# KiCad board sbc.kicad_pcb (continued)
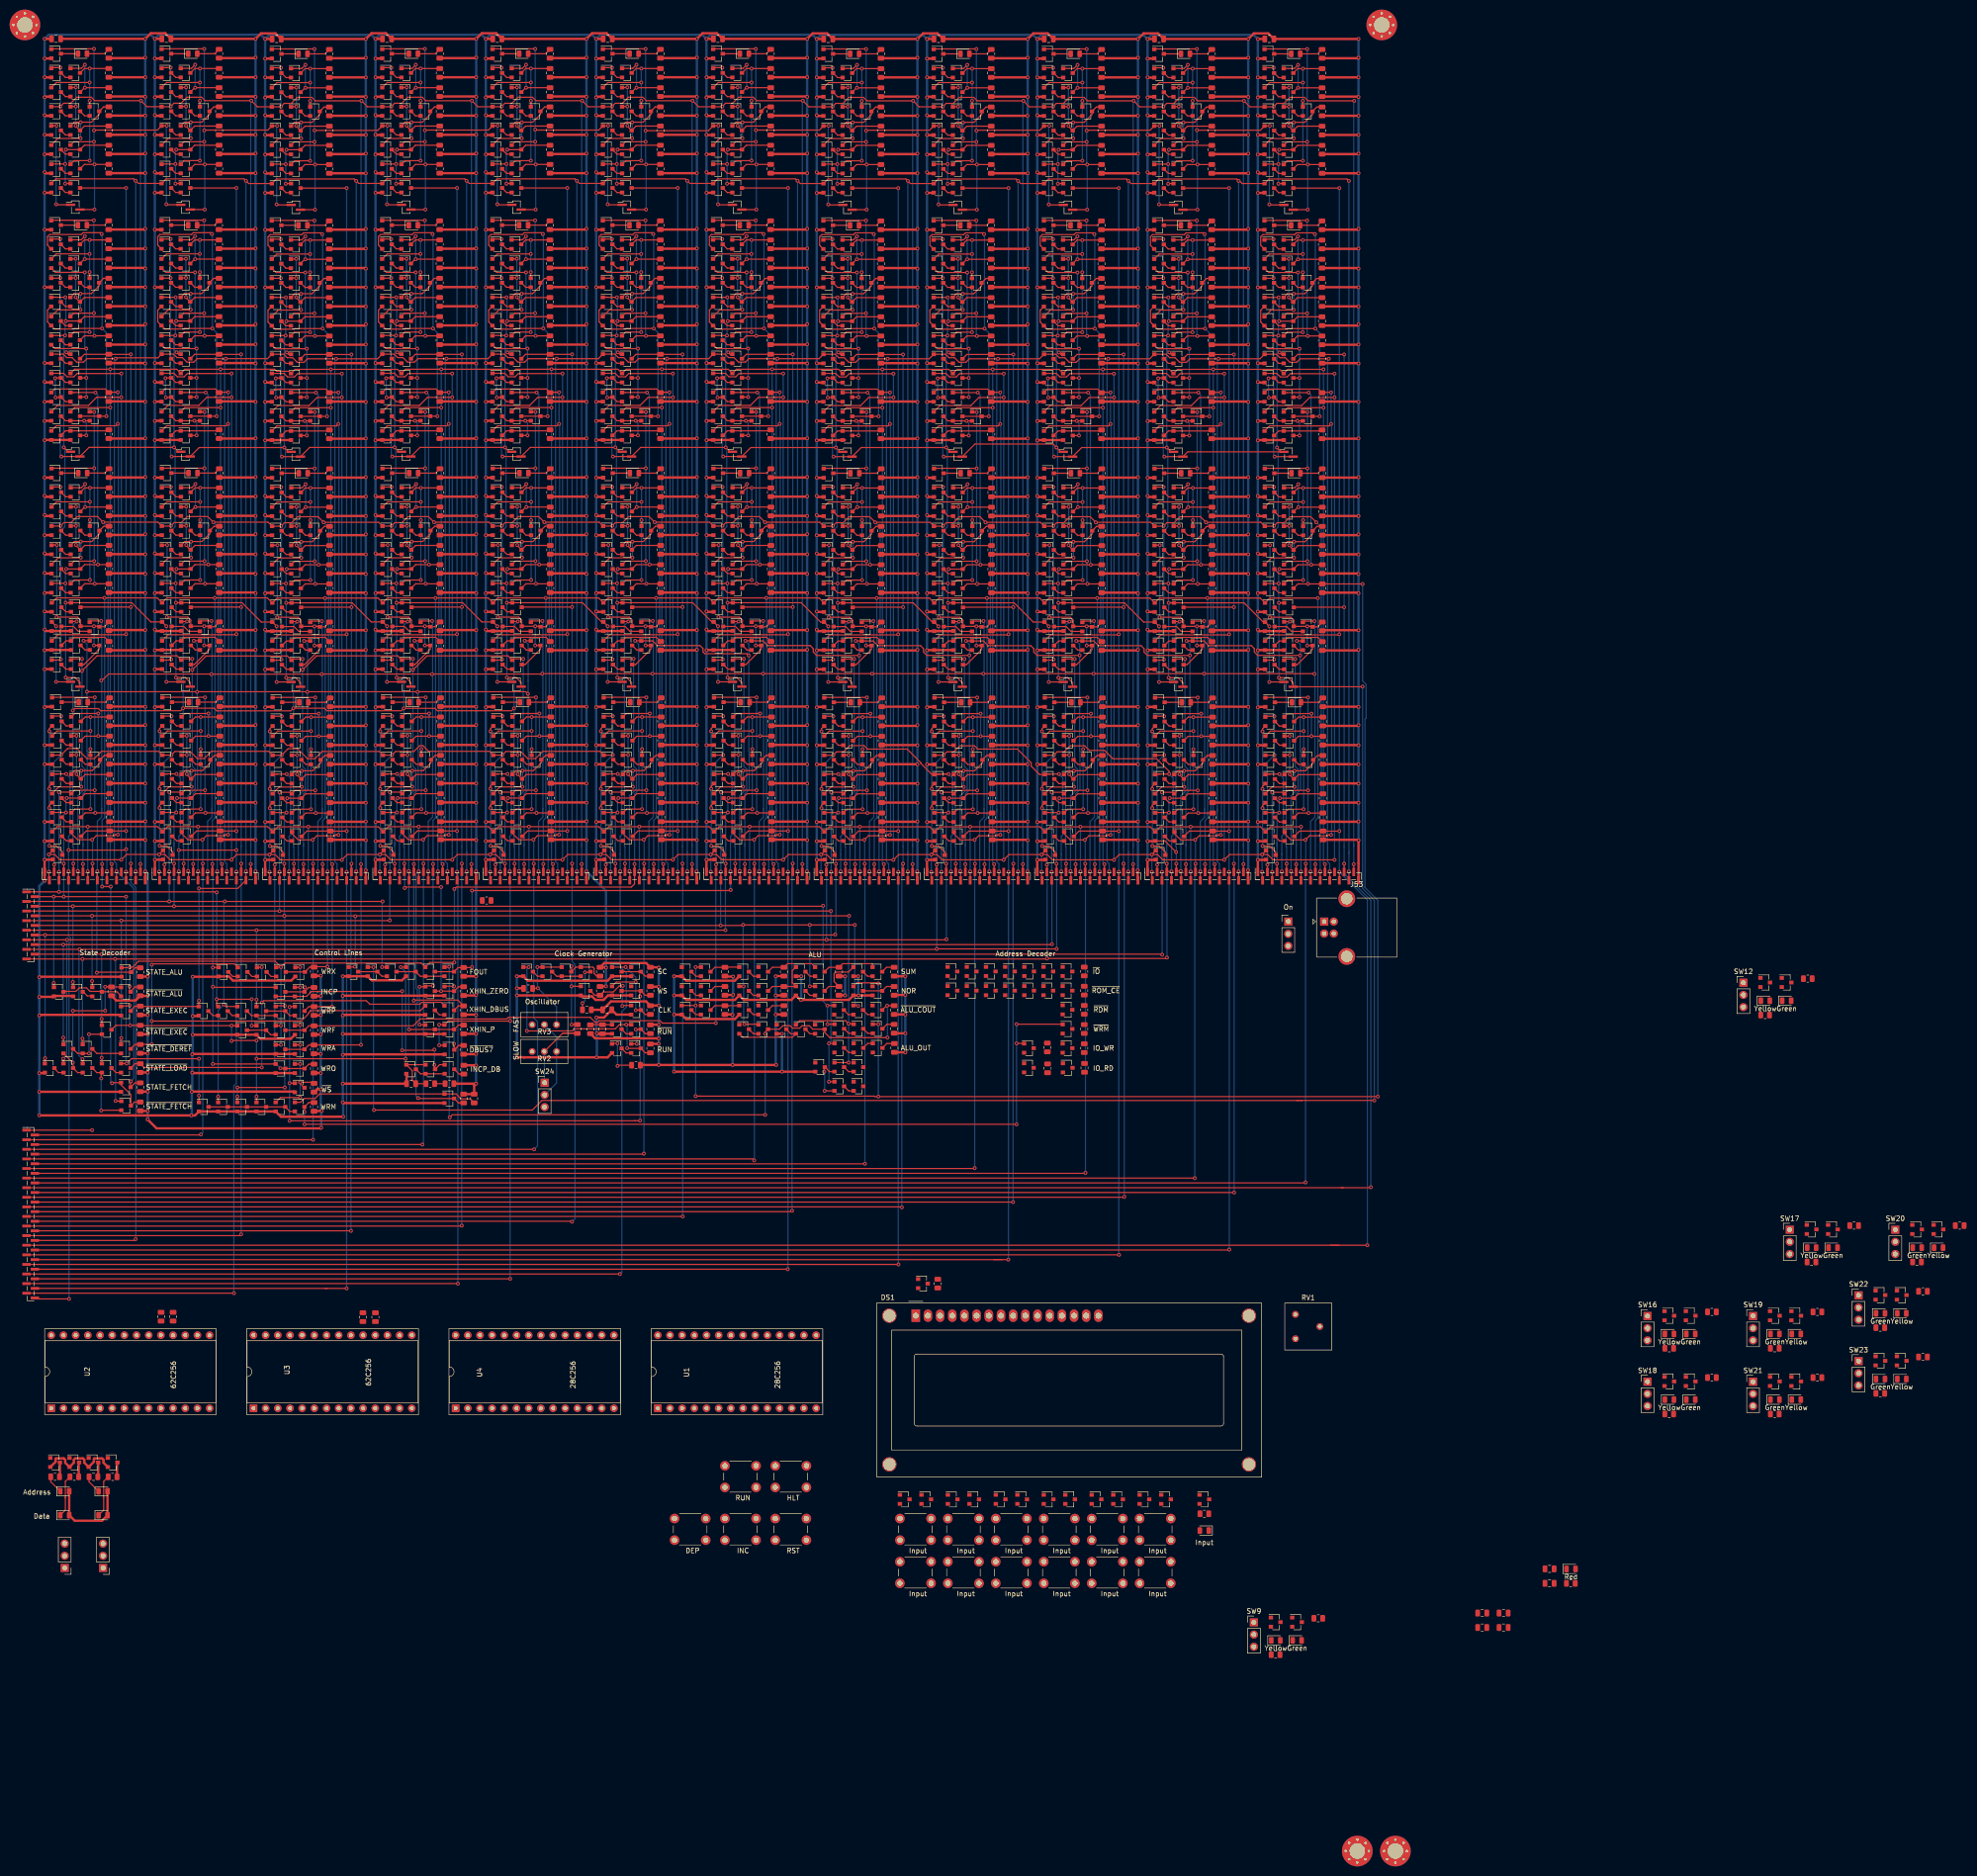
[diagram p0: board, top side]
## Routing (per net, layer and track width the routed paths; a pad name or vN(x,y) marks a point on that pad's centre or on a via; arc(x,y) is an arc through that point)
GND: length 4573.9
  Top w0.25: Q1051.1 262.9,248.62 v1(264.95,248.62) ; J45.7 v1(263.15,205.92) ; v1(149.95,248.65) 147.9,248.65 Q636.1 ; Q638.1 147.7,256.45 v1(148.85,256.45) ; v1(126.95,248.65) 124.9,248.65 Q553.1 ; J33.8 195.15,204.32 v1(195.09,204.39) ; Q804.1 193.7,256.42 v1(194.85,256.42) ; J29.8 172.15,204.32 v1(172.09,204.39) ; v1(171.85,256.42) 170.7,256.42 Q721.1 ; J37.8 218.15,204.32 v1(218.08,204.39) ; v1(240.15,205.92) J41.7 240.34,204.39 v1(241.08,204.39) 241.15,204.32 J41.8 ; v1(240.85,256.42) 239.7,256.42 Q970.1 ; Q968.1 239.9,248.62 v1(241.95,248.62) ; Q802.1 193.9,248.62 v1(195.95,248.62) ; J33.7 v1(194.15,205.92) ; J25.7 v1(148.15,205.95) ; v1(264.08,204.39) 264.15,204.32 J45.8 ; v1(263.85,256.42) 262.7,256.42 Q1053.1 ; v1(172.95,248.62) 170.9,248.62 Q719.1 ; Q885.1 216.9,248.62 v1(218.95,248.62) ; v1(149.09,204.41) 149.15,204.35 J25.8 ; v1(125.85,256.45) 124.7,256.45 Q555.1 ; J37.7 v1(217.15,205.92) ; v1(217.85,256.42) 216.7,256.42 Q887.1 ; J29.7 v1(171.15,205.92) ; J21.8 126.15,204.35 v1(126.09,204.41) ; J21.7 v1(125.15,205.95) ; Q29.1 v1(6.5,255.45) ; Q949.2 237.78,210.67 v1(240.1,208.35) ; v1(6.5,243.85) J3.1
  Top w0.5: 5.43,338.1 Q44.2 4.1,338.15 v1(4.1,338.15) ; 5.61,238.61 Q69.2 4.21,238.66 v1(4.1,238.55) ; 5.5,286.39 Q20.2 4.11,286.44 v1(4.1,286.45) ; C2.2 v1(27.1,377.95) ; Q93.2 28.45,373.85 v1(27.1,373.85) ; Q88.2 28.45,345.85 v1(27.1,345.85) ; Q91.2 27.35,349.9 v1(27.1,350.15) ; v1(27.1,353.85) 27.15,353.9 Q96.2 ; v1(27.1,357.95) 27.15,357.9 Q102.2 ; v1(27.1,362.05) 27.25,361.9 Q100.2 ; Q92.2 27.25,365.9 v1(27.1,365.75) ; v1(27.1,369.95) 27.15,369.9 Q97.2 ; 28.43,338.1 Q142.2 27.11,338.15 v1(27.1,338.15) ; 28.61,238.61 Q158.2 27.21,238.66 v1(27.1,238.55) ; 28.5,286.39 Q117.2 27.11,286.44 v1(27.1,286.45) ; Q86.2 28.65,210.65 v1(27.1,210.65) ; Q108.2 Q112.2 27.15,250.5 v1(27.1,250.45) ; Q110.2 27.15,246.5 v1(27.1,246.45) ; v1(27.1,254.75) 27.4,254.45 Q111.2 32.55,254.45 Q107.2 ; v1(27.1,258.55) 27.2,258.45 Q109.2 ; v1(27.1,262.35) 27.19,262.44 Q115.2 ; v1(27.1,266.55) 27.21,266.44 Q120.2 ; Q126.2 27.31,270.44 v1(27.1,270.65) ; Q124.2 27.11,274.44 v1(27.1,274.45) ; v1(27.1,278.65) 27.31,278.44 Q116.2 ; v1(27.1,282.65) 27.31,282.44 Q121.2 ; v1(27.1,294.25) 27.15,294.3 Q137.2 Q136.2 ; v1(27.1,298.25) 27.15,298.3 Q135.2 ; Q134.2 27.15,302.3 v1(27.1,302.25) ; v1(27.1,306.45) 27.25,306.3 Q133.2 ; Q128.2 27.15,310.3 v1(27.1,310.35) ; v1(27.1,326.15) 27.11,326.15 Q149.2 ; v1(27.1,230.65) 27.11,230.66 Q157.2 ; v1(27.1,226.65) 27.11,226.66 Q165.2 ; v1(27.1,214.65) 27.11,214.66 Q156.2 ; Q70.2 28.75,206.75 v1(27.1,206.75) J4.1 ; C9.2 v1(96.12,377.95) ; Q458.2 97.47,373.85 v1(96.12,373.85) ; Q453.2 97.47,345.85 v1(96.12,345.85) ; Q456.2 96.38,349.9 v1(96.12,350.15) ; v1(96.12,353.85) 96.18,353.9 Q461.2 ; v1(96.12,357.95) 96.18,357.9 Q467.2 ; v1(96.12,362.05) 96.28,361.9 Q465.2 ; Q457.2 96.28,365.9 v1(96.12,365.75) ; v1(96.12,369.95) 96.18,369.9 Q462.2 ; 97.46,338.09 Q507.2 96.13,338.14 v1(96.12,338.15) ; 97.64,238.61 Q523.2 96.24,238.66 v1(96.12,238.55) ; 97.53,286.38 Q482.2 96.13,286.44 v1(96.12,286.45) ; Q451.2 97.68,210.65 v1(96.12,210.65) ; Q473.2 Q477.2 96.18,250.5 v1(96.12,250.45) ; Q475.2 96.18,246.5 v1(96.12,246.45) ; v1(96.12,254.75) 96.43,254.45 Q476.2 101.57,254.45 Q472.2 ; v1(96.12,258.55) 96.22,258.45 Q474.2 ; v1(96.12,262.35) 96.22,262.44 Q480.2 ; v1(96.12,266.55) 96.24,266.44 Q485.2 ; Q491.2 96.34,270.44 v1(96.12,270.64) ; Q489.2 96.13,274.44 v1(96.12,274.45) ; v1(96.12,278.65) 96.34,278.44 Q481.2 ; v1(96.12,282.65) 96.34,282.44 Q486.2 ; v1(96.12,294.25) 96.18,294.3 Q502.2 Q501.2 ; v1(96.12,298.25) 96.18,298.3 Q500.2 ; Q499.2 96.18,302.3 v1(96.12,302.25) ; v1(96.12,306.45) 96.28,306.3 Q498.2 ; Q493.2 96.18,310.3 v1(96.12,310.35) ; v1(96.12,326.15) 96.13,326.14 Q514.2 ; v1(96.12,230.65) 96.13,230.66 Q522.2 ; v1(96.12,226.65) 96.13,226.66 Q530.2 ; v1(96.12,214.65) 96.13,214.66 Q521.2 ; 97.82,206.8 97.78,206.75 v1(96.12,206.75) J17.1 ; C8.2 v1(73.12,377.95) ; Q375.2 74.47,373.85 v1(73.12,373.85) ; Q370.2 74.47,345.85 v1(73.12,345.85) ; Q373.2 73.38,349.9 v1(73.12,350.15) ; v1(73.12,353.85) 73.17,353.9 Q378.2 ; v1(73.12,357.95) 73.17,357.9 Q384.2 ; v1(73.12,362.05) 73.28,361.9 Q382.2 ; Q374.2 73.28,365.9 v1(73.12,365.75) ; v1(73.12,369.95) 73.17,369.9 Q379.2 ; 74.45,338.09 Q424.2 73.13,338.14 v1(73.12,338.15) ; 74.64,238.61 Q440.2 73.23,238.66 v1(73.12,238.55) ; 74.53,286.38 Q399.2 73.14,286.44 v1(73.12,286.45) ; Q368.2 74.67,210.65 v1(73.12,210.65) ; Q390.2 Q394.2 73.17,250.5 v1(73.12,250.45) ; Q392.2 73.17,246.5 v1(73.12,246.45) ; v1(73.12,254.75) 73.42,254.45 Q393.2 78.58,254.45 Q389.2 ; v1(73.12,258.55) 73.22,258.45 Q391.2 ; v1(73.12,262.35) 73.22,262.44 Q397.2 ; v1(73.12,266.55) 73.23,266.44 Q402.2 ; Q408.2 73.33,270.44 v1(73.12,270.64) ; Q406.2 73.14,274.44 v1(73.12,274.45) ; v1(73.12,278.65) 73.33,278.44 Q398.2 ; v1(73.12,282.65) 73.33,282.44 Q403.2 ; v1(73.12,294.25) 73.17,294.3 Q419.2 Q418.2 ; v1(73.12,298.25) 73.17,298.3 Q417.2 ; Q416.2 73.17,302.3 v1(73.12,302.25) ; v1(73.12,306.45) 73.28,306.3 Q415.2 ; Q410.2 73.17,310.3 v1(73.12,310.35) ; v1(73.12,326.15) 73.13,326.14 Q431.2 ; v1(73.12,230.65) 73.14,230.66 Q439.2 ; v1(73.12,226.65) 73.14,226.66 Q447.2 ; v1(73.12,214.65) 73.14,214.66 Q438.2 ; 74.83,206.8 74.78,206.75 v1(73.12,206.75) J13.1 ; C7.2 v1(50.1,377.92) ; Q292.2 51.45,373.82 v1(50.1,373.82) ; Q287.2 51.45,345.82 v1(50.1,345.82) ; Q290.2 50.35,349.87 v1(50.1,350.12) ; v1(50.1,353.82) 50.15,353.87 Q295.2 ; v1(50.1,357.92) 50.15,357.87 Q301.2 ; v1(50.1,362.02) 50.25,361.87 Q299.2 ; Q291.2 50.25,365.87 v1(50.1,365.72) ; v1(50.1,369.92) 50.15,369.87 Q296.2 ; 51.43,338.07 Q341.2 50.11,338.12 v1(50.1,338.12) ; 51.61,238.58 Q357.2 50.21,238.63 v1(50.1,238.52) ; 51.5,286.36 Q316.2 50.11,286.41 v1(50.1,286.42) ; Q285.2 51.65,210.62 v1(50.1,210.62) ; Q307.2 Q311.2 50.15,250.47 v1(50.1,250.42) ; Q309.2 50.15,246.47 v1(50.1,246.42) ; v1(50.1,254.72) 50.4,254.42 Q310.2 55.55,254.42 Q306.2 ; v1(50.1,258.52) 50.2,258.42 Q308.2 ; v1(50.1,262.32) 50.19,262.41 Q314.2 ; v1(50.1,266.52) 50.21,266.41 Q319.2 ; Q325.2 50.31,270.41 v1(50.1,270.62) ; Q323.2 50.11,274.41 v1(50.1,274.42) ; v1(50.1,278.62) 50.31,278.41 Q315.2 ; v1(50.1,282.62) 50.31,282.41 Q320.2 ; v1(50.1,294.22) 50.15,294.27 Q336.2 Q335.2 ; v1(50.1,298.22) 50.15,298.27 Q334.2 ; Q333.2 50.15,302.27 v1(50.1,302.22) ; v1(50.1,306.42) 50.25,306.27 Q332.2 ; Q327.2 50.15,310.27 v1(50.1,310.32) ; v1(50.1,326.12) 50.11,326.12 Q348.2 ; v1(50.1,230.62) 50.11,230.63 Q356.2 ; v1(50.1,226.62) 50.11,226.63 Q364.2 ; v1(50.1,214.62) 50.11,214.63 Q355.2 ; Q71.2 51.75,206.72 v1(50.1,206.72) J9.1 ; J45.1 v1(257.15,206.72) 258.8,206.72 Q600.2 ; Q1042.2 257.2,353.87 v1(257.15,353.82) ; Q1080.2 257.2,302.27 v1(257.15,302.22) ; v1(257.15,226.62) 257.16,226.63 Q1111.2 ; Q1103.2 257.16,230.63 v1(257.15,230.62) ; v1(257.15,326.12) 257.15,326.12 Q1095.2 ; v1(257.15,310.32) 257.2,310.27 Q1074.2 ; v1(257.15,286.42) 257.16,286.41 Q1063.2 258.55,286.36 ; Q1066.2 257.26,266.41 v1(257.15,266.52) ; Q1070.2 257.16,274.41 v1(257.15,274.42) ; Q1053.2 262.6,254.42 Q1057.2 257.45,254.42 v1(257.15,254.72) ; v1(257.15,345.82) 258.5,345.82 Q1034.2 ; v1(234.15,238.52) 234.26,238.63 Q1021.2 235.66,238.58 ; v1(234.15,302.22) 234.2,302.27 Q997.2 ; Q996.2 234.3,306.27 v1(234.15,306.42) ; Q998.2 234.2,298.27 v1(234.15,298.22) ; v1(234.15,294.22) 234.2,294.27 Q1000.2 Q999.2 ; v1(234.15,278.62) 234.36,278.41 Q979.2 ; v1(234.15,258.52) 234.25,258.42 Q972.2 ; v1(234.15,250.42) 234.2,250.47 Q975.2 Q971.2 ; v1(234.15,246.42) 234.2,246.47 Q973.2 ; v1(234.15,210.62) 235.7,210.62 Q949.2 ; 235.48,338.07 Q1005.2 234.15,338.12 v1(234.15,338.12) ; v1(234.15,365.72) 234.3,365.87 Q955.2 ; v1(234.15,369.92) 234.2,369.87 Q960.2 ; v1(234.15,362.02) 234.3,361.87 Q963.2 ; Q965.2 234.2,357.87 v1(234.15,357.92) ; Q959.2 234.2,353.87 v1(234.15,353.82) ; v1(142.15,338.15) 142.16,338.14 Q673.2 143.48,338.09 ; v1(142.15,326.15) 142.16,326.14 Q680.2 ; v1(142.15,294.25) 142.2,294.3 Q668.2 Q667.2 ; Q652.2 142.36,282.44 v1(142.15,282.65) ; v1(142.15,278.65) 142.36,278.44 Q647.2 ; Q604.2 119.16,214.66 v1(119.15,214.65) ; Q613.2 119.16,226.66 v1(119.15,226.65) ; v1(119.15,306.45) 119.3,306.3 Q581.2 ; v1(119.15,286.45) 119.16,286.44 Q565.2 120.55,286.38 ; Q568.2 119.26,266.44 v1(119.15,266.55) ; Q563.2 119.24,262.44 v1(119.15,262.35) ; v1(119.15,258.55) 119.25,258.45 Q557.2 ; Q558.2 119.2,246.5 v1(119.15,246.45) ; v1(119.15,365.75) 119.3,365.9 Q540.2 ; Q550.2 119.2,357.9 v1(119.15,357.95) ; Q548.2 119.3,361.9 v1(119.15,362.05) ; v1(119.15,350.15) 119.4,349.9 Q539.2 ; Q770.2 165.16,214.63 v1(165.15,214.62) ; Q779.2 165.16,226.63 v1(165.15,226.62) ; v1(165.15,306.42) 165.3,306.27 Q747.2 ; v1(165.15,302.22) 165.2,302.27 Q748.2 ; v1(165.15,294.22) 165.2,294.27 Q751.2 170.98,294.27 Q750.2 ; v1(165.15,282.62) 165.36,282.41 Q735.2 ; Q749.2 165.2,298.27 v1(165.15,298.22) ; v1(165.15,274.42) 165.16,274.41 Q738.2 ; Q734.2 165.26,266.41 v1(165.15,266.52) ; v1(165.15,250.42) 165.2,250.47 Q726.2 Q722.2 ; v1(165.15,210.62) 166.7,210.62 Q700.2 ; Q714.2 165.3,361.87 v1(165.15,362.02) ; v1(165.15,369.92) 165.2,369.87 Q711.2 ; Q716.2 165.2,357.87 v1(165.15,357.92) ; Q702.2 166.5,345.82 v1(165.15,345.82) ; Q638.2 147.6,254.45 Q642.2 142.45,254.45 v1(142.15,254.75) ; v1(142.15,250.45) 142.2,250.5 Q643.2 Q639.2 ; 143.55,286.38 Q648.2 142.16,286.44 v1(142.15,286.45) ; Q628.2 142.2,369.9 v1(142.15,369.95) ; Q623.2 142.3,365.9 v1(142.15,365.75) ; C11.2 v1(142.15,377.95) ; Q517.2 212.8,206.72 v1(211.15,206.72) J37.1 ; v1(211.15,214.62) 211.16,214.63 Q936.2 ; v1(211.15,230.62) 211.16,230.63 Q937.2 ; Q929.2 211.16,326.12 v1(211.15,326.12) ; v1(211.15,306.42) 211.3,306.27 Q913.2 ; v1(211.15,302.22) 211.2,302.27 Q914.2 ; Q915.2 211.2,298.27 v1(211.15,298.22) ; v1(211.15,286.42) 211.16,286.41 Q897.2 212.55,286.36 ; Q900.2 211.26,266.41 v1(211.15,266.52) ; Q890.2 211.2,246.47 v1(211.15,246.42) ; Q888.2 Q892.2 211.2,250.47 v1(211.15,250.42) ; 212.48,338.07 Q922.2 211.16,338.12 v1(211.15,338.12) ; v1(211.15,362.02) 211.3,361.87 Q880.2 ; Q882.2 211.2,357.87 v1(211.15,357.92) ; v1(211.15,350.12) 211.4,349.87 Q871.2 ; v1(211.15,353.82) 211.2,353.87 Q876.2 ; v1(211.15,345.82) 212.5,345.82 Q868.2 ; v1(211.15,373.82) 212.5,373.82 Q873.2 ; Q862.2 188.16,226.63 v1(188.15,226.62) ; Q854.2 188.16,230.63 v1(188.15,230.62) ; v1(188.15,238.52) 188.26,238.63 Q855.2 189.66,238.58 ; v1(188.15,306.42) 188.3,306.27 Q830.2 ; v1(188.15,270.62) 188.36,270.41 Q823.2 ; Q812.2 188.24,262.41 v1(188.15,262.32) ; Q817.2 188.26,266.41 v1(188.15,266.52) ; v1(188.15,258.52) 188.25,258.42 Q806.2 ; Q807.2 188.2,246.47 v1(188.15,246.42) ; v1(188.15,369.92) 188.2,369.87 Q794.2 ; v1(188.15,365.72) 188.3,365.87 Q789.2 ; Q799.2 188.2,357.87 v1(188.15,357.92) ; Q793.2 188.2,353.87 v1(188.15,353.82) ; v1(188.15,345.82) 189.5,345.82 Q785.2 ; v1(188.15,373.82) 189.5,373.82 Q790.2 ; v1(188.15,214.62) 188.16,214.63 Q853.2 ; v1(188.15,310.32) 188.2,310.27 Q825.2 ; Q846.2 188.16,326.12 v1(188.15,326.12) ; Q831.2 188.2,302.27 v1(188.15,302.22) ; v1(188.15,294.22) 188.2,294.27 Q834.2 Q833.2 ; Q813.2 188.36,278.41 v1(188.15,278.62) ; v1(188.15,274.42) 188.16,274.41 Q821.2 ; Q804.2 193.6,254.42 Q808.2 188.45,254.42 v1(188.15,254.72) ; Q805.2 Q809.2 188.2,250.47 v1(188.15,250.42) ; Q783.2 189.7,210.62 v1(188.15,210.62) ; Q797.2 188.3,361.87 v1(188.15,362.02) ; C13.2 v1(188.15,377.92) ; Q945.2 211.16,226.63 v1(211.15,226.62) ; v1(211.15,238.52) 211.26,238.63 Q938.2 212.66,238.58 ; Q908.2 211.2,310.27 v1(211.15,310.32) ; v1(211.15,282.62) 211.36,282.41 Q901.2 ; Q896.2 211.36,278.41 v1(211.15,278.62) ; v1(211.15,270.62) 211.36,270.41 Q906.2 ; v1(211.15,262.32) 211.24,262.41 Q895.2 ; v1(211.15,369.92) 211.2,369.87 Q877.2 ; v1(211.15,365.72) 211.3,365.87 Q872.2 ; Q866.2 212.7,210.62 v1(211.15,210.62) ; Q434.2 166.8,206.72 v1(165.15,206.72) J29.1 ; v1(165.15,238.52) 165.26,238.63 Q772.2 166.66,238.58 ; v1(165.15,286.42) 165.16,286.41 Q731.2 166.55,286.36 ; Q730.2 165.36,278.41 v1(165.15,278.62) ; Q706.2 165.3,365.87 v1(165.15,365.72) ; Q710.2 165.2,353.87 v1(165.15,353.82) ; Q705.2 165.4,349.87 v1(165.15,350.12) ; v1(165.15,373.82) 166.5,373.82 Q707.2 ; v1(119.15,294.25) 119.2,294.3 Q585.2 Q584.2 ; v1(119.15,274.45) 119.16,274.44 Q572.2 ; Q555.2 124.6,254.45 Q559.2 119.45,254.45 v1(119.15,254.75) ; v1(119.15,250.45) 119.2,250.5 Q560.2 Q556.2 ; 120.48,338.09 Q590.2 119.16,338.14 v1(119.15,338.15) ; Q544.2 119.2,353.9 v1(119.15,353.85) ; v1(119.15,345.85) 120.5,345.85 Q536.2 ; v1(119.15,373.85) 120.5,373.85 Q541.2 ; J25.1 v1(142.15,206.75) 143.8,206.75 143.85,206.8 ; Q687.2 142.16,214.66 v1(142.15,214.65) ; v1(142.15,230.65) 142.16,230.66 Q688.2 ; v1(142.15,226.65) 142.16,226.66 Q696.2 ; v1(142.15,310.35) 142.2,310.3 Q659.2 ; v1(142.15,306.45) 142.3,306.3 Q664.2 ; Q666.2 142.2,298.3 v1(142.15,298.25) ; v1(142.15,262.35) 142.24,262.44 Q646.2 ; v1(142.15,266.55) 142.26,266.44 Q651.2 ; Q640.2 142.25,258.45 v1(142.15,258.55) ; Q641.2 142.2,246.5 v1(142.15,246.45) ; 143.66,238.61 Q689.2 142.26,238.66 v1(142.15,238.55) ; v1(142.15,353.85) 142.2,353.9 Q627.2 ; v1(142.15,350.15) 142.4,349.9 Q622.2 ; v1(142.15,345.85) 143.5,345.85 Q619.2 ; v1(142.15,373.85) 143.5,373.85 Q624.2 ; J21.1 v1(119.15,206.75) 120.8,206.75 120.85,206.8 ; Q597.2 119.16,326.14 v1(119.15,326.15) ; v1(119.15,310.35) 119.2,310.3 Q576.2 ; Q582.2 119.2,302.3 v1(119.15,302.25) ; v1(119.15,298.25) 119.2,298.3 Q583.2 ; J41.1 v1(234.15,206.72) 235.8,206.72 Q518.2 ; v1(234.15,326.12) 234.15,326.12 Q1012.2 ; v1(234.15,310.32) 234.2,310.27 Q991.2 ; v1(234.15,274.42) 234.16,274.41 Q987.2 ; Q989.2 234.36,270.41 v1(234.15,270.62) ; Q978.2 234.24,262.41 v1(234.15,262.32) ; Q970.2 239.6,254.42 Q974.2 234.45,254.42 v1(234.15,254.72) ; v1(234.15,350.12) 234.4,349.87 Q954.2 ; Q956.2 235.5,373.82 v1(234.15,373.82) ; C15.2 v1(234.15,377.92) ; v1(257.15,250.42) 257.2,250.47 Q1058.2 Q1054.2 ; v1(257.15,362.02) 257.3,361.87 Q1046.2 ; v1(257.15,246.42) 257.2,246.47 Q1056.2 ; v1(257.15,258.52) 257.25,258.42 Q1055.2 ; Q1081.2 257.2,298.27 v1(257.15,298.22) ; v1(142.15,302.25) 142.2,302.3 Q665.2 ; Q631.2 142.3,361.9 v1(142.15,362.05) ; v1(142.15,270.64) 142.36,270.44 Q657.2 ; v1(142.15,274.45) 142.16,274.44 Q655.2 ; Q1019.2 234.16,214.63 v1(234.15,214.62) ; Q1028.2 234.16,226.63 v1(234.15,226.62) ; Q1020.2 234.16,230.63 v1(234.15,230.62) ; Q983.2 234.26,266.41 v1(234.15,266.52) ; v1(234.15,345.82) 235.5,345.82 Q951.2 ; v1(234.15,286.42) 234.16,286.41 Q980.2 235.55,286.36 ; v1(234.15,282.62) 234.36,282.41 Q984.2 ; Q788.2 188.4,349.87 v1(188.15,350.12) ; v1(257.15,369.92) 257.2,369.87 Q1043.2 ; v1(257.15,350.12) 257.4,349.87 Q1037.2 ; v1(257.15,214.62) 257.16,214.63 Q1102.2 ; v1(257.15,278.62) 257.36,278.41 Q1062.2 ; Q1061.2 257.24,262.41 v1(257.15,262.32) ; v1(257.15,373.82) 258.5,373.82 Q1039.2 ; Q1048.2 257.2,357.87 v1(257.15,357.92) ; v1(165.15,310.32) 165.2,310.27 Q742.2 ; Q569.2 119.36,282.44 v1(119.15,282.65) ; Q574.2 119.36,270.44 v1(119.15,270.64) ; v1(119.15,210.65) 120.7,210.65 Q534.2 ; v1(119.15,369.95) 119.2,369.9 Q545.2 ; C10.2 v1(119.15,377.95) ; C12.2 v1(165.15,377.92) ; v1(165.15,254.72) 165.45,254.42 Q725.2 170.6,254.42 Q721.2 ; v1(165.15,246.42) 165.2,246.47 Q724.2 ; v1(165.15,230.62) 165.16,230.63 Q771.2 ; v1(188.15,298.22) 188.2,298.27 Q832.2 ; v1(188.15,338.12) 188.16,338.12 Q839.2 189.48,338.07 ; J33.1 v1(188.15,206.72) 189.8,206.72 Q435.2 ; v1(211.15,294.22) 211.2,294.27 Q917.2 Q916.2 ; Q889.2 211.25,258.42 v1(211.15,258.52) ; v1(188.15,286.42) 188.16,286.41 Q814.2 189.55,286.36 ; Q818.2 188.36,282.41 v1(188.15,282.62) ; v1(257.15,338.12) 257.15,338.12 Q1088.2 258.48,338.07 ; Q1032.2 258.7,210.62 v1(257.15,210.62) ; Q1079.2 257.3,306.27 v1(257.15,306.42) ; v1(257.15,238.52) 257.26,238.63 Q1104.2 258.66,238.58 ; v1(257.15,270.62) 257.36,270.41 Q1072.2 ; v1(257.15,294.22) 257.2,294.27 Q1083.2 Q1082.2 ; Q1038.2 257.3,365.87 v1(257.15,365.72) ; Q1067.2 257.36,282.41 v1(257.15,282.62) ; C16.2 v1(257.15,377.92) ; v1(211.15,274.42) 211.16,274.41 Q904.2 ; Q887.2 216.6,254.42 Q891.2 211.45,254.42 v1(211.15,254.72) ; C14.2 v1(211.15,377.92) ; v1(142.15,210.65) 143.7,210.65 Q617.2 ; v1(119.15,230.65) 119.16,230.66 Q605.2 ; 120.66,238.61 Q606.2 119.26,238.66 v1(119.15,238.55) ; v1(119.15,278.65) 119.36,278.44 Q564.2 ; v1(165.15,270.62) 165.36,270.41 Q740.2 ; v1(165.15,338.12) 165.16,338.12 Q756.2 166.48,338.07 ; v1(165.15,326.12) 165.16,326.12 Q763.2 ; Q729.2 165.24,262.41 v1(165.15,262.32) ; v1(165.15,258.52) 165.25,258.42 Q723.2 ; Q633.2 142.2,357.9 v1(142.15,357.95) ; Q1122.2 16.39,81 16.39,81.61 16.1,81.9 14.48,81.9 14.39,81.81 14.39,81.19 Q1121.2 12.39,81 12.39,81.62 12.11,81.9 10.49,81.9 10.2,81.61 10.2,81 Q1120.2 8.4,81 8.4,81.61 8.11,81.9 6.49,81.9 6.4,81.81 6.4,81.2 Q1119.2 ; v1(119.2,173.85) 120.8,173.85 C3.1 123.4,174.45 Q231.2 ; v1(4.1,294.25) 4.15,294.3 Q55.2 Q54.2 ; Q188.2 Q187.2 66.35,178.4 v1(66.3,178.35) ; Q234.2 Q233.2 121.61,178.45 120.69,177.52 119.01,177.52 118.29,178.25 116.15,178.25 Q230.2 v1(102.6,178.45) ; Q4.2 5.45,373.85 v1(4.1,373.85) ; Q33.2 4.19,262.44 v1(4.1,262.35) ; Q197.2 66.4,166.15 v1(66.3,166.05) ; Q74.2 4.11,214.66 v1(4.1,214.65) ; Q6.2 5.45,345.85 v1(4.1,345.85) ; Q9.2 4.35,349.9 v1(4.1,350.15) ; Q239.2 121.53,165.53 v1(119.22,165.53) 104.02,165.53 104,165.55 ; v1(4.1,202.35) J1.1 v1(4.1,206.75) 5.75,206.75 Q1.2 ; Q43.2 4.31,270.44 v1(4.1,270.65) ; v1(135.4,182.45) Q252.2 137.93,181.52 148.07,181.52 Q248.2 ; Q215.2 36.15,174.15 v1(35,174.15) ; Q19.2 4.15,357.9 v1(4.1,357.95) ; Q38.2 4.31,282.44 v1(4.1,282.65) ; Q180.2 5.95,178.15 v1(3,178.15) ; v1(102.6,182.45) Q235.2 104.88,181.52 121.52,181.52 Q226.2 Q227.2 ; Q194.2 Q193.2 35,166.25 v1(34.9,166.15) ; v1(3,162.25) 4.05,162.25 Q181.2 ; 10.05,178.35 6.05,178.35 6,178.4 ; v1(4.1,369.95) 4.15,369.9 Q14.2 ; Q282.2 v1(173.9,178.45) Q283.2 171.87,177.52 v1(161.87,177.52) 161.73,177.52 Q266.2 159.87,177.52 149.93,177.52 Q259.2 148.07,177.52 137.93,177.52 Q258.2 v1(135.4,178.45) ; v1(4.1,362.05) 4.25,361.9 Q17.2 ; Q10.2 4.25,365.9 v1(4.1,365.75) ; v1(119.3,170.55) 119.4,170.45 C5.1 Q238.2 ; v1(3,158.35) Q183.2 ; C4.1 103.95,179.95 v1(102.6,179.95) ; Q217.2 78.65,181.6 72.35,181.6 Q220.2 Q219.2 v1(66.3,182.45) ; Q242.2 79.6,162.05 C6.1 v1(66.3,160.05) ; Q27.2 4.2,258.45 v1(4.1,258.55) ; v1(135.4,174.45) Q247.2 137.93,173.52 148.07,173.52 Q244.2 ; Q75.2 4.11,230.66 v1(4.1,230.65) ; Q3.2 5.65,210.65 v1(4.1,210.65) ; Q202.2 55.55,181.55 43.39,181.55 42.54,182.4 Q210.2 40.35,182.35 v1(35,182.35) ; Q26.2 Q30.2 4.15,250.5 v1(4.1,250.45) ; Q184.2 19.9,174.4 3.15,174.4 v1(3,174.25) ; v1(34.8,158.35) 34.85,158.4 56.15,158.4 Q198.2 ; v1(4.1,302.25) 4.15,302.3 Q52.2 ; v1(4.1,353.85) 4.15,353.9 Q13.2 ; C1.2 v1(4.1,377.95) ; Q51.2 4.25,306.3 v1(4.1,306.45) ; v1(135.4,162.55) v1(157.9,162.55) Q281.2 ; Q53.2 4.15,298.3 v1(4.1,298.25) ; v1(66.3,170.45) 66.35,170.4 Q190.2 Q191.2 ; v1(4.1,254.75) 4.4,254.45 Q29.2 9.55,254.45 Q25.2 ; v1(102.6,165.55) 104.2,165.55 ; v1(4.1,226.65) 4.11,226.66 Q82.2 ; Q186.2 Q185.2 35,162.25 v1(34.9,162.35) ; v1(4.1,278.65) 4.31,278.44 Q34.2 ; v1(66.38,153.15) 53.4,153.15 Q225.2 Q224.2 Q223.2 Q222.2 Q221.2 35.47,153.42 v1(34.73,153.42) 3.03,153.42 v1(3,153.45) ; Q255.2 v1(161.9,182.45) ; Q192.2 66.45,174.4 v1(66.3,174.25) ; Q28.2 4.15,246.5 v1(4.1,246.45) ; Q66.2 4.1,326.15 v1(4.1,326.15) ; Q41.2 4.11,274.44 v1(4.1,274.45) ; Q1123.2 66.45,156 v1(66.3,156.15) ; v1(3,182.25) 3.1,182.35 Q177.2 ; v1(4.1,266.55) 4.21,266.44 Q37.2 ; Q260.2 v1(173.8,182.45) ; Q200.2 55.45,169.4 49.15,169.4 Q206.2 Q205.2 v1(35,170.25) ; Q46.2 4.15,310.3 v1(4.1,310.35) ; Q279.2 v1(157.9,170.45)
  Bottom w0.25: v1(125.15,205.95) 125.15,209.45 125.05,209.55 125.05,255.65 v1(125.85,256.45) ; v1(264.08,204.39) 264.08,220.06 265.54,221.51 265.54,225.63 264.95,226.21 v1(264.95,248.62) ; v1(149.09,204.41) 149.09,220.08 150.54,221.53 150.54,225.65 149.95,226.24 v1(149.95,248.65) ; v1(148.85,256.45) 148.05,255.65 148.05,209.55 148.15,209.45 v1(148.15,205.95) ; v1(195.95,248.62) 195.95,226.21 196.54,225.63 196.54,221.51 195.09,220.06 v1(195.09,204.39) ; v1(194.85,256.42) 194.05,255.62 194.05,209.52 194.15,209.42 v1(194.15,205.92) ; v1(171.85,256.42) 171.05,255.62 171.05,209.52 171.15,209.42 v1(171.15,205.92) ; v1(217.85,256.42) 217.05,255.62 217.05,209.52 217.15,209.42 v1(217.15,205.92) ; v1(240.85,256.42) 240.05,255.62 240.05,209.52 240.15,209.42 240.15,208.2 ; v1(172.09,204.39) 172.09,220.06 173.54,221.51 173.54,225.63 172.95,226.21 v1(172.95,248.62) ; v1(126.09,204.41) 126.09,220.08 127.54,221.53 127.54,225.65 126.95,226.24 v1(126.95,248.65) ; v1(263.85,256.42) 263.05,255.62 263.05,209.52 263.15,209.42 v1(263.15,205.92) ; v1(241.95,248.62) 241.95,226.21 242.54,225.63 242.54,221.51 241.08,220.06 v1(241.08,204.39) ; v1(218.95,248.62) 218.95,226.21 219.54,225.63 219.54,221.51 218.08,220.06 v1(218.08,204.39) ; v1(240.1,208.35) 240.15,208.3 240.15,208.2 ; 240.15,208.2 v1(240.15,205.92) ; v1(6.5,255.45) v1(6.5,243.85)
  Bottom w0.5: v1(27.1,377.95) v1(27.1,373.85) v1(27.1,369.95) v1(27.1,365.75) v1(27.1,362.05) v1(27.1,357.95) v1(27.1,353.85) v1(27.1,350.15) v1(27.1,345.85) v1(27.1,338.15) v1(27.1,326.15) v1(27.1,310.35) v1(27.1,306.45) v1(27.1,302.25) v1(27.1,298.25) v1(27.1,294.25) v1(27.1,286.45) v1(27.1,282.65) v1(27.1,278.65) v1(27.1,274.45) v1(27.1,270.65) v1(27.1,266.55) v1(27.1,262.35) v1(27.1,258.55) v1(27.1,254.75) v1(27.1,250.45) v1(27.1,246.45) v1(27.1,238.55) v1(27.1,230.65) v1(27.1,226.65) v1(27.1,214.65) v1(27.1,210.65) v1(27.1,206.75) ; v1(27.1,377.95) 26.25,378.8 4.95,378.8 v1(4.1,377.95) v1(4.1,373.85) v1(4.1,369.95) v1(4.1,365.75) v1(4.1,362.05) v1(4.1,357.95) v1(4.1,353.85) v1(4.1,350.15) v1(4.1,345.85) v1(4.1,338.15) v1(4.1,326.15) v1(4.1,310.35) v1(4.1,306.45) v1(4.1,302.25) v1(4.1,298.25) v1(4.1,294.25) v1(4.1,286.45) v1(4.1,282.65) v1(4.1,278.65) v1(4.1,274.45) v1(4.1,270.65) v1(4.1,266.55) v1(4.1,262.35) v1(4.1,258.55) v1(4.1,254.75) v1(4.1,250.45) v1(4.1,246.45) v1(4.1,238.55) v1(4.1,230.65) v1(4.1,226.65) v1(4.1,214.65) v1(4.1,210.65) v1(4.1,206.75) ; v1(27.1,377.95) 27.95,378.8 49.22,378.8 v1(50.1,377.92) ; v1(96.12,377.95) v1(96.12,373.85) v1(96.12,369.95) v1(96.12,365.75) v1(96.12,362.05) v1(96.12,357.95) v1(96.12,353.85) v1(96.12,350.15) v1(96.12,345.85) v1(96.12,338.15) v1(96.12,326.15) v1(96.12,310.35) v1(96.12,306.45) v1(96.12,302.25) v1(96.12,298.25) v1(96.12,294.25) v1(96.12,286.45) v1(96.12,282.65) v1(96.12,278.65) v1(96.12,274.45) v1(96.12,270.64) v1(96.12,266.55) v1(96.12,262.35) v1(96.12,258.55) v1(96.12,254.75) v1(96.12,250.45) v1(96.12,246.45) v1(96.12,238.55) v1(96.12,230.65) v1(96.12,226.65) v1(96.12,214.65) v1(96.12,210.65) v1(96.12,206.75) ; v1(96.12,377.95) 95.27,378.8 73.98,378.8 v1(73.12,377.95) ; v1(96.12,377.95) 96.98,378.8 118.3,378.8 v1(119.15,377.95) ; v1(73.12,377.95) v1(73.12,373.85) v1(73.12,369.95) v1(73.12,365.75) v1(73.12,362.05) v1(73.12,357.95) v1(73.12,353.85) v1(73.12,350.15) v1(73.12,345.85) v1(73.12,338.15) v1(73.12,326.15) v1(73.12,310.35) v1(73.12,306.45) v1(73.12,302.25) v1(73.12,298.25) v1(73.12,294.25) v1(73.12,286.45) v1(73.12,282.65) v1(73.12,278.65) v1(73.12,274.45) v1(73.12,270.64) v1(73.12,266.55) v1(73.12,262.35) v1(73.12,258.55) v1(73.12,254.75) v1(73.12,250.45) v1(73.12,246.45) v1(73.12,238.55) v1(73.12,230.65) v1(73.12,226.65) v1(73.12,214.65) v1(73.12,210.65) v1(73.12,206.75) ; v1(73.12,377.95) 72.3,378.77 50.95,378.77 v1(50.1,377.92) ; v1(50.1,377.92) v1(50.1,373.82) v1(50.1,369.92) v1(50.1,365.72) v1(50.1,362.02) v1(50.1,357.92) v1(50.1,353.82) v1(50.1,350.12) v1(50.1,345.82) v1(50.1,338.12) v1(50.1,326.12) v1(50.1,310.32) v1(50.1,306.42) v1(50.1,302.22) v1(50.1,298.22) v1(50.1,294.22) v1(50.1,286.42) v1(50.1,282.62) v1(50.1,278.62) v1(50.1,274.42) v1(50.1,270.62) v1(50.1,266.52) v1(50.1,262.32) v1(50.1,258.52) v1(50.1,254.72) v1(50.1,250.42) v1(50.1,246.42) v1(50.1,238.52) v1(50.1,230.62) v1(50.1,226.62) v1(50.1,214.62) v1(50.1,210.62) v1(50.1,206.72) ; v1(234.15,377.92) v1(234.15,373.82) v1(234.15,369.92) v1(234.15,365.72) v1(234.15,362.02) v1(234.15,357.92) v1(234.15,353.82) v1(234.15,350.12) v1(234.15,345.82) v1(234.15,338.12) v1(234.15,326.12) v1(234.15,310.32) v1(234.15,306.42) v1(234.15,302.22) v1(234.15,298.22) v1(234.15,294.22) v1(234.15,286.42) v1(234.15,282.62) v1(234.15,278.62) v1(234.15,274.42) v1(234.15,270.62) v1(234.15,266.52) v1(234.15,262.32) v1(234.15,258.52) v1(234.15,254.72) v1(234.15,250.42) v1(234.15,246.42) v1(234.15,238.52) v1(234.15,230.62) v1(234.15,226.62) v1(234.15,214.62) v1(234.15,210.62) v1(234.15,206.72) ; v1(234.15,377.92) 233.3,378.77 212,378.77 v1(211.15,377.92) ; v1(234.15,377.92) 235,378.77 256.3,378.77 v1(257.15,377.92) v1(257.15,373.82) v1(257.15,369.92) v1(257.15,365.72) v1(257.15,362.02) v1(257.15,357.92) v1(257.15,353.82) v1(257.15,350.12) v1(257.15,345.82) v1(257.15,338.12) v1(257.15,326.12) v1(257.15,310.32) v1(257.15,306.42) v1(257.15,302.22) v1(257.15,298.22) v1(257.15,294.22) v1(257.15,286.42) v1(257.15,282.62) v1(257.15,278.62) v1(257.15,274.42) v1(257.15,270.62) v1(257.15,266.52) v1(257.15,262.32) v1(257.15,258.52) v1(257.15,254.72) v1(257.15,250.42) v1(257.15,246.42) v1(257.15,238.52) v1(257.15,230.62) v1(257.15,226.62) v1(257.15,214.62) v1(257.15,210.62) v1(257.15,206.72) ; v1(119.15,206.75) v1(119.15,210.65) v1(119.15,214.65) v1(119.15,226.65) v1(119.15,230.65) v1(119.15,238.55) v1(119.15,246.45) v1(119.15,250.45) v1(119.15,254.75) v1(119.15,258.55) v1(119.15,262.35) v1(119.15,266.55) v1(119.15,270.64) v1(119.15,274.45) v1(119.15,278.65) v1(119.15,282.65) v1(119.15,286.45) v1(119.15,294.25) v1(119.15,298.25) v1(119.15,302.25) v1(119.15,306.45) v1(119.15,310.35) v1(119.15,326.15) v1(119.15,338.15) v1(119.15,345.85) v1(119.15,350.15) v1(119.15,353.85) v1(119.15,357.95) v1(119.15,362.05) v1(119.15,365.75) v1(119.15,369.95) v1(119.15,373.85) v1(119.15,377.95) ; v1(211.15,206.72) v1(211.15,210.62) v1(211.15,214.62) v1(211.15,226.62) v1(211.15,230.62) v1(211.15,238.52) v1(211.15,246.42) v1(211.15,250.42) v1(211.15,254.72) v1(211.15,258.52) v1(211.15,262.32) v1(211.15,266.52) v1(211.15,270.62) v1(211.15,274.42) v1(211.15,278.62) v1(211.15,282.62) v1(211.15,286.42) v1(211.15,294.22) v1(211.15,298.22) v1(211.15,302.22) v1(211.15,306.42) v1(211.15,310.32) v1(211.15,326.12) v1(211.15,338.12) v1(211.15,345.82) v1(211.15,350.12) v1(211.15,353.82) v1(211.15,357.92) v1(211.15,362.02) v1(211.15,365.72) v1(211.15,369.92) v1(211.15,373.82) v1(211.15,377.92) ; v1(211.15,377.92) 210.3,378.77 189,378.77 v1(188.15,377.92) ; v1(188.15,377.92) v1(188.15,373.82) v1(188.15,369.92) v1(188.15,365.72) v1(188.15,362.02) v1(188.15,357.92) v1(188.15,353.82) v1(188.15,350.12) v1(188.15,345.82) v1(188.15,338.12) v1(188.15,326.12) v1(188.15,310.32) v1(188.15,306.42) v1(188.15,302.22) v1(188.15,298.22) v1(188.15,294.22) v1(188.15,286.42) v1(188.15,282.62) v1(188.15,278.62) v1(188.15,274.42) v1(188.15,270.62) v1(188.15,266.52) v1(188.15,262.32) v1(188.15,258.52) v1(188.15,254.72) v1(188.15,250.42) v1(188.15,246.42) v1(188.15,238.52) v1(188.15,230.62) v1(188.15,226.62) v1(188.15,214.62) v1(188.15,210.62) v1(188.15,206.72) ; v1(188.15,377.92) 187.3,378.77 166,378.77 v1(165.15,377.92) ; v1(119.15,377.95) 120,378.8 141.3,378.8 v1(142.15,377.95) ; v1(165.15,206.72) v1(165.15,210.62) v1(165.15,214.62) v1(165.15,226.62) v1(165.15,230.62) v1(165.15,238.52) v1(165.15,246.42) v1(165.15,250.42) v1(165.15,254.72) v1(165.15,258.52) v1(165.15,262.32) v1(165.15,266.52) v1(165.15,270.62) v1(165.15,274.42) v1(165.15,278.62) v1(165.15,282.62) v1(165.15,286.42) v1(165.15,294.22) v1(165.15,298.22) v1(165.15,302.22) v1(165.15,306.42) v1(165.15,310.32) v1(165.15,326.12) v1(165.15,338.12) v1(165.15,345.82) v1(165.15,350.12) v1(165.15,353.82) v1(165.15,357.92) v1(165.15,362.02) v1(165.15,365.72) v1(165.15,369.92) v1(165.15,373.82) v1(165.15,377.92) ; v1(165.15,377.92) 164.27,378.8 143,378.8 v1(142.15,377.95) ; v1(142.15,206.75) v1(142.15,210.65) v1(142.15,214.65) v1(142.15,226.65) v1(142.15,230.65) v1(142.15,238.55) v1(142.15,246.45) v1(142.15,250.45) v1(142.15,254.75) v1(142.15,258.55) v1(142.15,262.35) v1(142.15,266.55) v1(142.15,270.64) v1(142.15,274.45) v1(142.15,278.65) v1(142.15,282.65) v1(142.15,286.45) v1(142.15,294.25) v1(142.15,298.25) v1(142.15,302.25) v1(142.15,306.45) v1(142.15,310.35) v1(142.15,326.15) v1(142.15,338.15) v1(142.15,345.85) v1(142.15,350.15) v1(142.15,353.85) v1(142.15,357.95) v1(142.15,362.05) v1(142.15,365.75) v1(142.15,369.95) v1(142.15,373.85) v1(142.15,377.95) ; v1(119.22,165.53) 119.3,165.61 v1(119.3,170.55) 119.2,170.65 v1(119.2,173.85) ; v1(173.8,182.45) 173.8,178.55 v1(173.9,178.45) ; 3,177.55 v1(3,174.25) v1(3,162.25) v1(3,158.35) v1(3,153.45) ; 3,177.55 v1(3,178.15) v1(3,182.25) 3,201.25 v1(4.1,202.35) 3.35,201.6 ; 3,177.55 3,177.75 ; v1(34.73,153.42) 34.8,153.5 v1(34.8,158.35) 34.9,158.45 v1(34.9,162.35) v1(34.9,166.15) 35,166.25 v1(35,170.25) v1(35,174.15) v1(35,182.35) ; v1(161.9,182.45) 161.9,177.55 v1(161.87,177.52) ; v1(102.6,182.45) v1(102.6,179.95) v1(102.6,178.45) v1(102.6,165.55) ; v1(135.4,182.45) v1(135.4,178.45) v1(135.4,174.45) v1(135.4,162.55) ; v1(157.9,170.45) v1(157.9,162.55) ; v1(66.38,153.15) 66.38,156.08 v1(66.3,156.15) v1(66.3,160.05) v1(66.3,166.05) v1(66.3,170.45) v1(66.3,174.25) v1(66.3,178.35) v1(66.3,182.45)
